# Altium PCB cupmat.PcbDoc
Units mm, origin at the board's own origin, x right, y up, seen from the top; angles counter-clockwise.
Board outline 90 x 90 mm, 2 copper layers (Top Layer, Bottom Layer); 49 components, 44 nets, 195 pads, 114 vias.
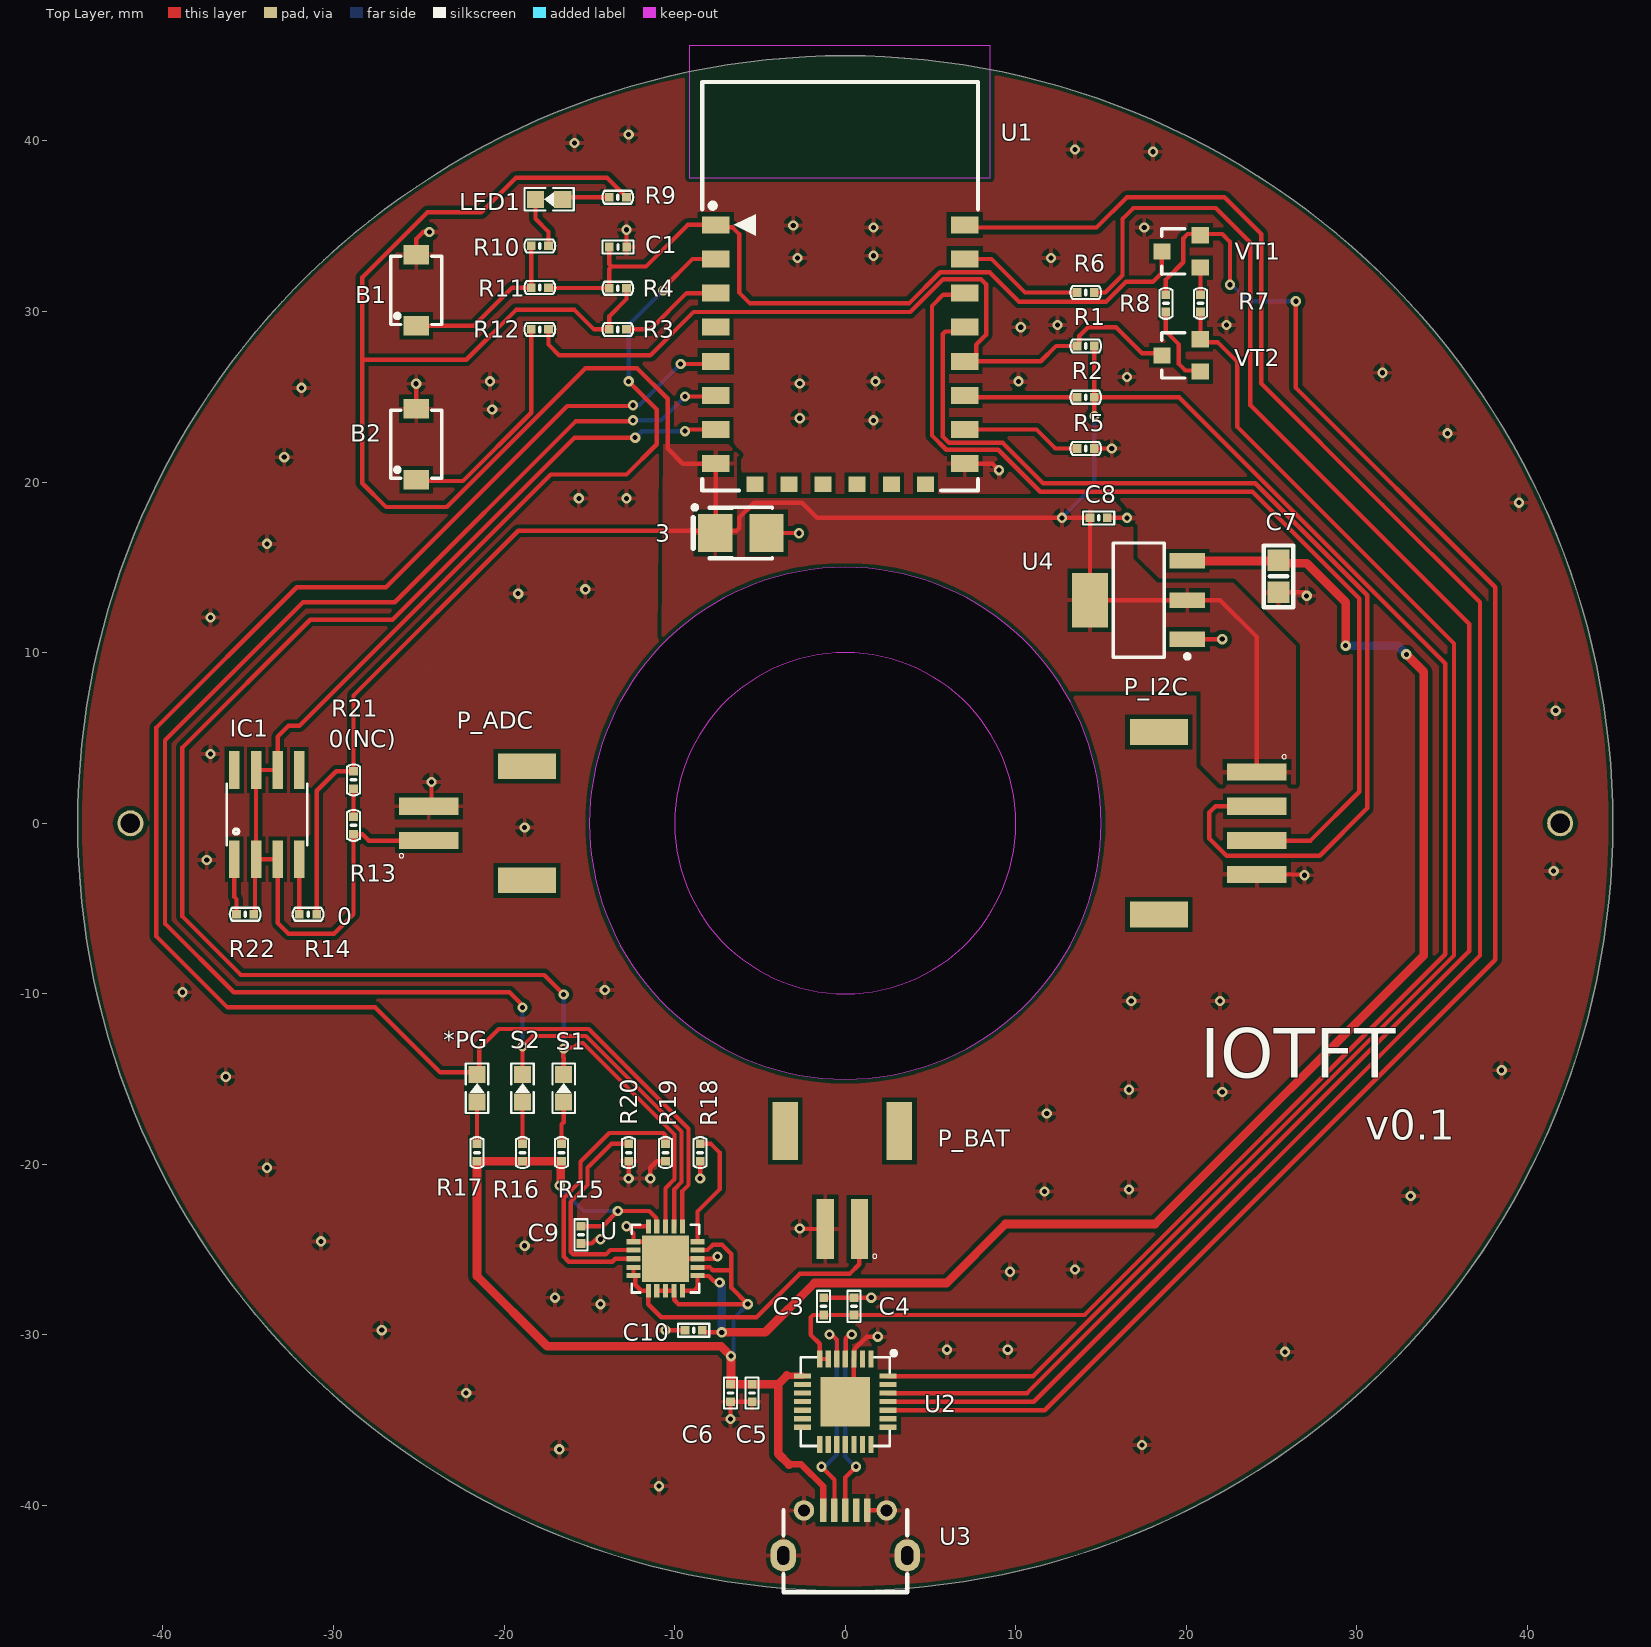
[diagram p0: Top Layer view]
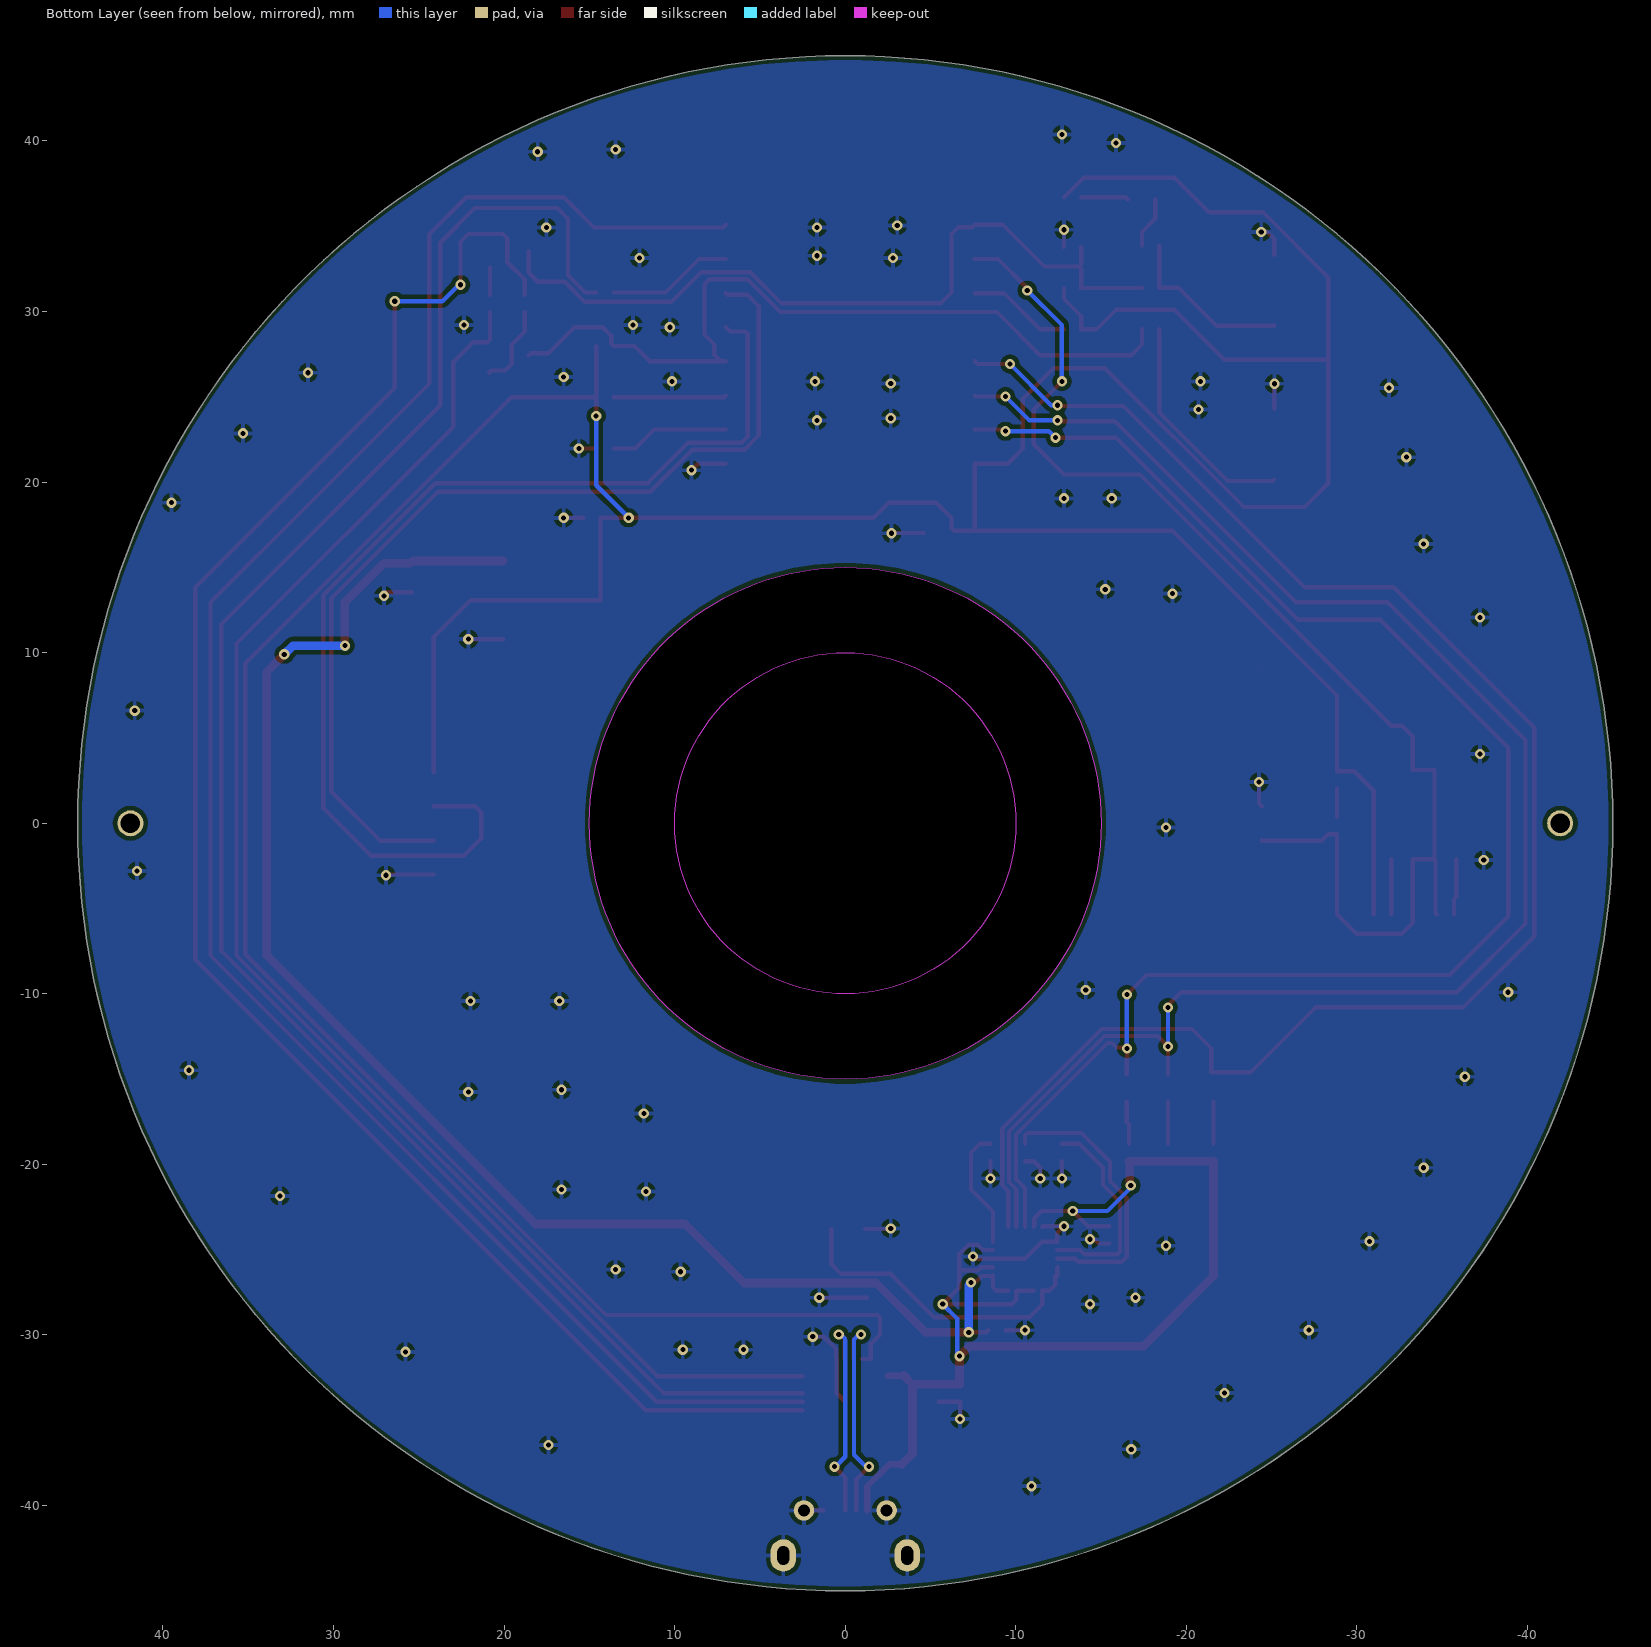
[diagram p1: Bottom Layer view, seen from below]
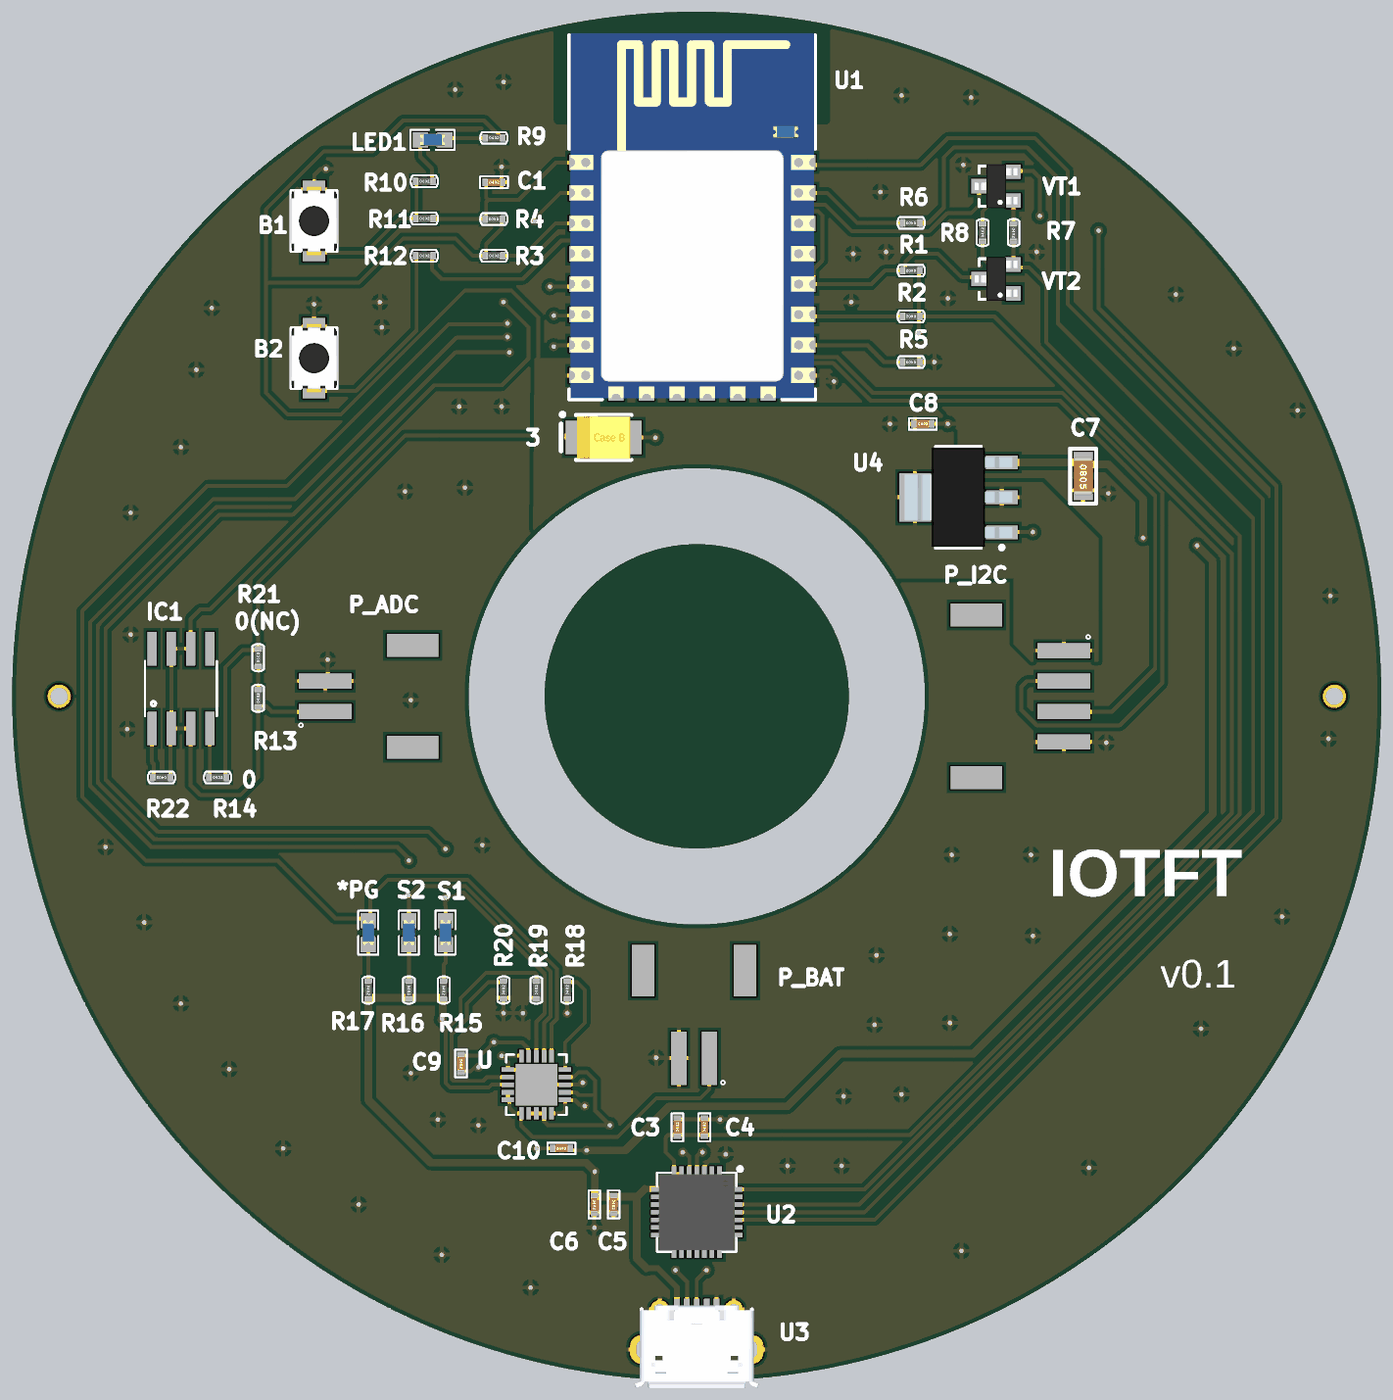
[diagram p2: 3D render of the assembled board from above, using the file's embedded part models]

## Layer stack, top to bottom
Top Solder: solder mask 0.0102, Solder Resist, Dk 3.5
Top Layer: signal copper 0.0356
Dielectric 1: dielectric 0.32, FR-4, Dk 4.8
Bottom Layer: signal copper 0.0356
Bottom Solder: solder mask 0.0102, Solder Resist, Dk 3.5

## Board outline
-45,0 ccw(c0,0) 0,-45 ccw(c0,0) 45,0 ccw(c0,0) 0,45 ccw(c0,0)
cut-out: -15,0 ccw(c0,0) 0,-15 ccw(c0,0) 15,0 ccw(c0,0) 0,15 ccw(c0,0)
cut-out: -10,0 ccw(c0,0) 0,-10 ccw(c0,0) 10,0 ccw(c0,0) 0,10 ccw(c0,0)
cut-out: -24.384,9.144

## Design rules (kind name [scope] priority, off if disabled: settings)
BoardOutlineClearance [All] p1: gap=0.254 ignorepadtopadclearanceinfootprint=FALSE except(0: Arc-SplitContinuation Track-SplitContinuation SMDPad-SplitContinuation THPad-SplitContinuation Via-SplitContinuation Fill-SplitContinuation Poly-SplitContinuation Region-SplitContinuation Text-SplitContinuation)
Clearance [All] p1: gap=0.254 ignorepadtopadclearanceinfootprint=TRUE except(0: Arc-Hole Track-Hole SMDPad-Hole THPad-Hole Via-Hole Fill-Hole Poly-Hole Region-Hole Text-Hole; 0.152: Arc-Arc Arc-Track Arc-SMDPad Track-Track Track-SMDPad)
DiffPairsRouting [All] p1: maxlimit=0.254 minlimit=0.254 mostfreqgap=0.254 toplayer_minwidth=0.254 toplayer_maxwidth=0.254 toplayer_prefwidth=0.254 bottomlayer_minwidth=0.254 bottomlayer_maxwidth=0.254 bottomlayer_prefwidth=0.254 maxuncoupledlength=12.7
MinimumSolderMaskSliver [OnLayer('Top Layer')] p1: minsoldermaskwidth=0.254
PolygonConnect [All] p1: connectstyle=Relief reliefconductorwidth=0.254 reliefentries=4 polygonreliefangle="90 Angle" airgapwidth=0.254
RoutingVias [All] p1: holewidth=0.3 width=0.6 viastyle="Through Hole" minholewidth=0.3 minwidth=0.6 maxholewidth=0.3 maxwidth=0.6
SilkToSolderMaskClearance [IsPad vs OnLayer('Top Layer')] p1: minsilkscreentomaskgap=0.254 clearancetoexposedcopper=TRUE
SolderMaskExpansion [All] p1: expansion=0.102 istentingtop=FALSE
Width [All] p1: maxlimit=0.508 minlimit=0.254 preferedwidth=0.254 minimp=50.000000 maximp=50.000000 favimp=50.000000
27 further rules are at their usual default settings.

## Classes and differential pairs
component class 08_BATT: *PG C9 C10 P_BAT R15 R16 R17 R18 R19 R20 S1 S2 U
component class 06_KEY: B1 B2 LED1 R9 R10 R11 R12
component class 05_IO_CONN: IC1 P_ADC P_I2C R13 R14 R21 R22
component class 04_POWER: C7 C8 U4
component class 03_USB_TO_UART: C3 C4 C5 C6 R6 R7 R8 U2 U3 VT1 VT2
component class 02_ESP12_CORE: 3 C1 R1 R2 R3 R4 R5 U1
differential pair D: +D_P -D_N

## Components (designator, comment, footprint, x,y, rotation, side; value= is the part's Value field where it differs from the comment)
3 "100uF TAJB107M006RNJ" SMT_C_Tantalum_B -6.12,17.018 r0 top (schematic designator C2)
*PG "BLUE" SMT_LED_0603 -21.59,-15.532 r90 top
B1 "KEY_RST/USER" SMT_SW_PTS_820 -25.157,31.242 r90 top
B2 "KEY_FLASH" SMT_SW_PTS_820 -25.157,22.225 r90 top
C1 "100nF" SMT_C_0402 -13.325,33.782 r0 top
C3 "10uF" SMT_C_0402 -1.27,-28.321 r90 top
C4 "100nF" SMT_C_0402 0.508,-28.321 r90 top
C5 "10uF" SMT_C_0402 -5.461,-33.401 r270 top
C6 "100nF" SMT_C_0402 -6.731,-33.401 r270 top
C7 "10uF 25V" SMT_C_0805 25.4,14.478 r270 top
C8 "10uF" SMT_C_0402 14.859,17.907 r0 top
C9 "10uF" SMT_C_0402 -15.494,-24.13 r270 top
C10 "4.7uF" SMT_C_0402 -8.89,-29.718 r180 top
IC1 "LM334" SO08 -33.909,0.508 r0 top
LED1 "BLUE" SMT_LED_0603 -17.364,36.576 r180 top
P_ADC "S2B-PH-SM4-TB" JST_S2B-PH-SM4-TB -24.419,0 r270 top
P_BAT "S2B-PH-SM4-TB" JST_S2B-PH-SM4-TB -0.175,-23.784 r0 top
P_I2C "S4B-PH-SM4-TB" JST_S4B-PH-SM4-TB 24.13,0 r90 top
R1 "12k" SMT_R_0402 14.097,27.982 r180 top
R2 "12k" SMT_R_0402 14.097,24.977 r180 top
R3 "12k" SMT_R_0402 -13.335,28.956 r0 top
R4 "12k" SMT_R_0402 -13.335,31.369 r180 top
R5 "12k" SMT_R_0402 14.097,21.971 r180 top
R6 "470" SMT_R_0402 14.097,31.115 r180 top
R7 "12k" SMT_R_0402 20.828,30.48 r270 top
R8 "12k" SMT_R_0402 18.796,30.48 r90 top
R9 "470" SMT_R_0402 -13.335,36.703 r0 top
R10 "0(NC)" SMT_R_0402 -17.907,33.85 r0 top
R11 "470" SMT_R_0402 -17.907,31.403 r0 top
R12 "470" SMT_R_0402 -17.907,28.956 r0 top
R13 "6M" SMT_R_0402 -28.829,-0.127 r90 top
R14 "0" SMT_R_0402 -31.496,-5.334 r0 top
R15 "1k" SMT_R_0402 -16.637,-19.304 r270 top
R16 "1k" SMT_R_0402 -18.923,-19.304 r270 top
R17 "1k" SMT_R_0402 -21.59,-19.304 r270 top
R18 "10k" SMT_R_0402 -8.509,-19.304 r90 top
R19 "2k" SMT_R_0402 -10.541,-19.304 r90 top
R20 "100k" SMT_R_0402 -12.7,-19.304 r90 top
R21 "0(NC)" SMT_R_0402 -28.829,2.54 r90 top
R22 "63.4k" SMT_R_0402 -35.179,-5.334 r180 top
S1 "BLUE" SMT_LED_0603 -16.51,-15.532 r90 top
S2 "BLUE" SMT_LED_0603 -18.923,-15.532 r90 top
U "MCP73871-3CCI/ML" MCP73871-3CCI/ML -10.541,-25.527 r180 top
U1 "ESP_12_E" ESP_12_E -8.3,35.083 r0 top
U2 "CP2102" CP2102 0,-33.909 r270 top
U3 "USB_Micro_5S_B" USB_MICRO_5S_B 0,-40.284 r180 top
U4 "NCP1117ST33T3G" SOT-223 17.201,13.081 r0 top
VT1 "S8050" SMT_TRIODE_NPN 19.685,33.528 r90 top
VT2 "S8050" SMT_TRIODE_NPN 19.685,27.432 r90 top

## Footprints (in the part's own frame and the unit in brackets; to place one, negate y for a bottom-side part, rotate by r counter-clockwise, add the part's x,y. Pads: shape width x height; smd on the part's side, far side on the other; paste and mask are expansions set on the pad)
CP2102 [mm]
  rect 1x0.3 smd: 1(-2.5,1.5) 2(-2.5,1) 3(-2.5,0.5) 4(-2.5,0) 5(-2.5,-0.5) 6(-2.5,-1) 7(-2.5,-1.5) 15(2.5,-1.5) 16(2.5,-1) 17(2.5,-0.5) 18(2.5,0) 19(2.5,0.5) 20(2.5,1) 21(2.5,1.5)
  rect 0.3x1 smd: 8(-1.5,-2.5) 9(-1,-2.5) 10(-0.5,-2.5) 11(0,-2.5) 12(0.5,-2.5) 13(1,-2.5) 14(1.5,-2.5) 22(1.5,2.5) 23(1,2.5) 24(0.5,2.5) 25(0,2.5) 26(-0.5,2.5) 27(-1,2.5) 28(-1.5,2.5)
  rect 2.921x2.921 smd paste-3.2: 29(0,0)
  silkscreen extent -2.97,-2.6 2.6,2.97, body extent -2.5,-2.5 2.5,2.5, height 1
ESP_12_E [mm]
  rect 1.6x1 smd: 1(0.7,0) 2(0.7,-2) 3(0.7,-4) 4(0.7,-6) 5(0.7,-8) 6(0.7,-10) 7(0.7,-12) 8(0.7,-14) 15(15.3,-14) 16(15.3,-12) 17(15.3,-10) 18(15.3,-8) 19(15.3,-6) 20(15.3,-4) 21(15.3,-2) 22(15.3,0)
  rect 1x0.9 smd: 9(3,-15.2) 10(5,-15.2) 11(7,-15.2) 12(9,-15.2) 13(11,-15.2) 14(13,-15.2)
  silkscreen extent -0.08,-15.57 16.08,8.37, body extent 0,-15.49 16,8.51, height 2.75
JST_S2B-PH-SM4-TB [mm]
  rect 1x3.5 smd: 1(1,0) 2(-1,0)
  rect 1.5x3.4 smd: P1(3.35,5.75) P2(-3.35,5.75)
  silkscreen extent 1.77,-1.73 2.03,-1.47
JST_S4B-PH-SM4-TB [mm]
  rect 1x3.5 smd: 1(3,0) 2(1,0) 3(-1,0) 4(-3,0)
  rect 1.5x3.4 smd: P1(5.35,5.75) P2(-5.35,5.75)
  silkscreen extent 3.77,-1.73 4.03,-1.47
MCP73871-3CCI/ML [mil]
  rect 32x12 smd: 1(-74,39) 2(-74,20) 3(-74,0) 4(-74,-20) 5(-74,-39) 11(74,-39) 12(74,-20) 13(74,0) 14(74,20) 15(74,39)
  rect 12x32 smd: 6(-39,-74) 7(-20,-74) 8(0,-74) 9(20,-74) 10(39,-74) 16(39,74) 17(20,74) 18(0,74) 19(-20,74) 20(-39,74)
  rect 108x108 smd: 21(0,0)
  silkscreen extent -78,-78 78,78
SMT_C_0402 [mil]
  rect 20x20 smd: 1(-20,0) 2(20,0)
  silkscreen extent -36,-15 36,15, body extent -20,-10 20,10, height 20
SMT_C_0805 [mil]
  rect 50x50 smd: 1(-37,0) 2(37,0)
  silkscreen extent -71,-34 71,34, body extent -49,-24 49,25, height 31
SMT_C_Tantalum_B [mm]
  rect 2x2.2 smd: 1(-1.5,0) 2(1.5,0)
  silkscreen extent -2.82,-1.5 1.85,1.62, body extent -1.75,-1.4 1.75,1.4, height 1.9
SMT_LED_0603 [mm]
  rect 1x1 smd: 1(-0.8,0) 2(0.8,0)
  silkscreen extent -1.45,-0.66 1.45,0.66, body extent -0.81,-0.4 0.81,0.4, height 0.6
SMT_R_0402 [mil]
  rect 20x20 smd: 1(-20,0) 2(20,0)
  silkscreen extent -36,-15 36,15, body extent -20,-10 20,10, height 20
SMT_SW_PTS_820 [mm]
  rect 1.143x1.5 smd: 1(-2.075,0) 2(2.075,0)
  round 0 all layers, no hole paste-2.54 mask-2.54: MH1(0,0.9) MH2(0,-0.9)
  silkscreen extent -2,-1.5 2,1.5, body extent -2.25,-1.55 2.25,1.55, height 2.05
SMT_TRIODE_NPN [mm]
  rect 0.95x1 smd: 1(-0.95,-1.125) 2(0.95,-1.125) 3(0,1.125)
  silkscreen extent -1.33,-0.22 1.32,1.13, body extent -1.45,-1.4 1.45,1.4, height 1.3
SO08 [mil]
  rect 24x87 smd: 1(-75,-103) 2(-25,-103) 3(25,-103) 4(75,-103) 5(75,103) 6(25,103) 7(-25,103) 8(-75,103)
  silkscreen extent -93,-71 93,71
SOT-223 [mm]
  rect 2.1x0.9 smd: 1(2.85,-2.3) 2(2.85,0) 3(2.85,2.3)
  rect 2.1x3.2 smd: 2(-2.85,0)
  silkscreen extent -1.5,-3.42 2.98,3.35, body extent -3.54,-3.25 3.54,3.25, height 1.65
USB_MICRO_5S_B [mil]
  rect 15x54 smd: 1(51,0) 2(25.5,0) 3(0,0) 4(-25.5,0) 5(-51,0)
  oval 59.06x74.8 hole 27.56 slot 43.31 at 90 deg: 6(-143,104) 7(143,104)
  round 47.24 hole 27.5: 8(95.5,0) 9(-95.5,0)
  silkscreen extent -143,0 143,189, body extent -161,-9 161,204, height 105

## Part data
3: library part SMT_C_Tantalum_B, "Capacitor, SM Tantalum; Body 3.5 x 2.8 mm (LxW typ)"
*PG LED1 S1 S2: library part SMT_LED_0603, "SMT LED"
B1 B2: library part SMT_SW_PTS_820, "SMT Tactile ‎Switch PTS 820 Series"
C1 C3 C4 C5 C6 C8 C9 C10: library part SMT_C_0402, "Surface mount capacitor 0402"
C7: library part SMT_C_0805, "Surface mount capacitor 0805"
IC1: "Current Source Regulator Adjustable 8-SOIC", Package="SOIC-8 Texas Instruments", Availability=Unavailable, MF="Texas Instruments", MP=LM334, Price=None, SnapEDA_Link=https://www.snapeda.com/parts/LM334/Texas%20Instruments/view-part/681076/?ref=snap
P_ADC P_BAT: "Connector Header Surface Mount, Right Angle 2 position 0.079 _2.00mm_", Package=None, Availability=Unavailable, MF="JST Sales", MP=S2B-PH-SM4-TB, Price=None, SnapEDA_Link=https://www.snapeda.com/parts/S2B-PH-SM4-TB/JST%20Sales%20America%20Inc./view-part/225866/?ref=snap
P_I2C: "Connector Header Surface Mount, Right Angle 4 position 0.079 _2.00mm_", Package=None, Availability=Unavailable, MF="JST Sales", MP=S4B-PH-SM4-TB, Price=None, SnapEDA_Link=https://www.snapeda.com/parts/S4B-PH-SM4-TB/JST%20Sales%20America%20Inc./view-part/473686/?ref=snap
R1 R2 R3 R4 R5 R6 R7 R8 R9 R10 R11 R12 R13 R14 R15 R16 R17 R18 R19 R20 R21 R22: library part SMT_R_0402, "Surface mount resistor 0402"
U: "Charger IC Lithium Ion/Polymer 20-QFN _4x4_", Package="QFN-20 Microchip", Availability=Unavailable, MF=Microchip, MP=MCP73871-3CCI/ML, Price=None, SnapEDA_Link=https://www.snapeda.com/parts/MCP73871-3CCI/ML/Microchip/view-part/276296/?ref=snap
U1: "ESP-12 Wi-Fi Module by AI-Thinker", IC=ESP8266-EX, Vendor=Ai-thinker
U3: "USB micro female SMT with 4 fixed foot"
U4: library part NCP1117, "NCP1117, NCV1117. 1.0 A Low-Dropout Positive  Fixed and Adjustable  Voltage Regulators"
VT1 VT2: library part SMT_TRIODE_NPN, "Surface mount NPN transistor, package SOT-23"

## Free pads (board coordinates)
  round 1.524 hole 1.152 mask+0.148: 2(-41.91,0) 3(41.91,0)

## Via types
v1: diameter 0.6, hole 0.3, Top Layer to Bottom Layer, tented both sides, 114 vias

## Nets (pads, with @x,y where several pads share a name; then routed paths per layer and width w, separated by ;. In a path a pad name is that pad's centre, name@x,y a point inside that pad or via, vN(x,y) a via of type N, cw(c..) or ccw(c..) an arc to the next point about the centre after c; other vN are vias at no path point)
ACTIVE: U2.11
ADC: IC1.2 IC1.3 IC1.6 IC1.7 P_ADC.1 R13.1 R22.1 U1.2 | length 75
  Top Layer w0.254: R22.1 -34.608,-5.271 -34.608,-2.172 IC1.2 ; P_ADC.1 -24.435,-1.016 -27.94,-1.016 -28.321,-0.635 R13.1 -28.829,-5.334 -29.972,-6.477 -32.639,-6.477 -33.274,-5.842 IC1.3 IC1.2 ; v1(-12.7,25.908) -11.049,24.257 -11.049,22.225 -12.827,20.447 -17.272,20.447 -32.004,5.715 -32.639,5.715 -33.274,5.08 IC1.6 IC1.7 IC1.2 ; v1(-10.668,31.242) -10.668,31.369 -8.954,33.083 U1.2
  Bottom Layer w0.254: v1(-12.7,25.908) -12.7,29.21 v1(-10.668,31.242)
CTS: U2.23
D_N: U2.5 U3.2 | length 13.1
  Top Layer w0.254: v1(-1.397,-37.719) -0.635,-38.481 -0.635,-40.272 U3.2 ; v1(-0.924,-29.972) -0.858,-30.038 -0.728,-30.038 -0.483,-30.283 -0.483,-31.392 U2.5
  Bottom Layer w0.254: v1(-1.397,-37.719) -1.211,-37.719 -0.508,-37.016 -0.508,-30.257 -0.793,-29.972 v1(-0.924,-29.972)
D_P: U2.4 U3.3 | length 12.8
  Top Layer w0.254: U3.3 0,-38.354 v1(0.635,-37.719) ; U2.4@0.025,-31.409 0.025,-30.195 0.248,-29.972 v1(0.381,-29.972)
  Bottom Layer w0.254: v1(0.381,-29.972) 0.254,-29.972 0.02,-30.206 0.02,-30.299 0,-30.319 0,-37.143 0.576,-37.719 v1(0.635,-37.719)
DCD: U2.1
DSR: U2.27
DTR: R7.2 U2.28 VT2.2 | length 87.8
  Top Layer w0.254: U2.28 11.025,-32.409 35.687,-7.747 35.687,10.541 22.987,23.241 22.987,27.051 21.844,28.194 20.998,28.194 VT2.2 20.828,28.4 R7.2
EN: R3.2 U1.3 | length 6.1
  Top Layer w0.254: R3.2 -11.43,28.956 -9.303,31.083 U1.3
GND: 3.2 B1.2 B2.2 C1.2 C3.2 C4.2 C5.2 C6.2 C7.2 C8.2 C9.2 C10.2 P_ADC.2 P_BAT.2 P_I2C.4 R5.1 R18.1 R19.1 R20.1 U1.15 U2.3 U2.29 U3.5 U3.6 U3.7 U3.8 U3.9 U4.1 U.3 U.10 U.11 U.21 | length 45.5
  Top Layer w0.254: B2.2 v1(-25.157,25.77) ; B1.2 -25.146,33.328 -25.146,34.268 -24.743,34.671 v1(-24.384,34.671) ; P_ADC.2 -24.257,1.162 v1(-24.257,2.413) ; C9.2 -14.859,-24.638 -14.605,-24.384 v1(-14.351,-24.384) ; v1(-12.827,34.798) -12.827,33.792 C1.2 ; v1(-12.7,-20.828) R20.1 ; U.10 -11.557,-23.622 v1(-12.827,-23.622) -12.421,-24.028 U.11 -11.532,-24.536 U.21 U.3 -7.62,-25.527 v1(-7.493,-25.4) ; v1(-11.43,-20.828) -11.43,-20.193 -11.049,-19.812 R19.1 ; v1(-10.541,-29.718) C10.2 ; v1(-8.509,-20.828) R18.1 ; v1(-6.731,-34.925) C6.2 C5.2 ; 3.2 -2.73,17.018 v1(-2.716,17.003) ; v1(-2.667,-23.749) -2.632,-23.784 P_BAT.2 ; C3.2 C4.2 v1(1.524,-27.813) ; U2.29 0.5,-33.409 U2.3 0.523,-31.386 0.523,-30.841 1.265,-30.099 v1(1.905,-30.099) ; U3.5 U3.9 ; U1.15 U1.15 8.636,21.082 v1(9.017,20.701) ; R5.1 v1(15.621,21.971) ; C8.2 v1(16.51,17.907) ; U4.1 20.066,10.795 v1(22.098,10.795) ; P_I2C.4 26.876,-3 v1(26.924,-3.048) ; C7.2 26.975,13.538 27.178,13.335 v1(27.051,13.335)
  other v1: -10.922,-38.862 -16.764,-36.703 17.399,-36.449 -22.225,-33.401 25.781,-30.988 5.969,-30.861 9.525,-30.861 -27.178,-29.718 -14.351,-28.194 -17.018,-27.813 9.652,-26.289 13.462,-26.162 -18.796,-24.765 -30.734,-24.511 33.147,-21.844 11.684,-21.59 16.637,-21.463 -33.909,-20.193 11.811,-17.018 22.098,-15.748 16.637,-15.621 -36.322,-14.859 38.481,-14.478 16.764,-10.414 21.971,-10.414 -38.862,-9.906 -14.097,-9.779 41.529,-2.794 -37.433,-2.159 -18.796,-0.254 -37.211,4.064 41.656,6.604 -37.211,12.065 -19.177,13.462 -15.24,13.716 -33.909,16.383 39.497,18.796 -15.621,19.05 -12.827,19.05 -32.893,21.463 35.306,22.86 1.651,23.622 -2.667,23.749 -20.701,24.257 -31.877,25.527 -2.667,25.781 -20.828,25.908 1.778,25.908 10.16,25.908 16.51,26.162 31.496,26.416 10.287,29.083 12.446,29.21 22.352,29.21 -2.794,33.147 12.065,33.147 1.651,33.274 1.651,34.925 17.526,34.925 -3.048,35.052 18.034,39.37 13.462,39.497 -15.875,39.878 -12.7,40.386
GPIO0: R1.2 R12.2 U1.18 VT2.3 | length 47
  Top Layer w0.254: R12.2 -17.399,28.067 -16.764,27.432 -11.43,27.432 -8.89,29.972 3.81,29.972 5.735,31.897 7.959,31.897 8.255,31.601 8.255,28.643 7.673,28.061 7.673,27.456 U1.18@7.3,27.083 ; U1.18 U1.18@7.3,27.083 ; VT2.3 18.433,27.559 17.399,27.559 15.875,29.083 14.224,29.083 13.716,28.575 13.716,28.109 R1.2 12.361,27.982 11.462,27.083 U1.18@7.3,27.083
GPIO2: R2.2 U1.17 | length 6.6
  Top Layer w0.254: U1.17 7.106,24.977 R2.2
GPIO4: P_I2C.2 U1.19 | length 64
  Top Layer w0.254: U1.19 6.746,28.829 5.864,28.829 5.715,28.68 5.715,22.673 6.084,22.304 9.223,22.304 11.587,19.939 24.033,19.939 30.607,13.365 30.607,0.889 27.813,-1.905 22.352,-1.905 21.336,-0.889 21.336,0.635 21.701,1 P_I2C.2
GPIO5: P_I2C.3 U1.20 | length 57.4
  Top Layer w0.254: U1.20 6.905,30.988 5.737,30.988 5.08,30.331 5.08,22.733 5.916,21.897 8.964,21.897 11.43,19.431 23.876,19.431 30.137,13.17 30.137,1.846 27.275,-1.016 24.146,-1.016 P_I2C.3
GPIO12: S2.2 U1.6 U.7 | length 96
  Top Layer w0.254: S2.2 v1(-18.923,-13.081) -18.313,-12.471 -15.208,-12.471 -9.601,-18.078 -9.601,-21.031 -10.033,-21.463 U.7 ; v1(-18.923,-10.795) -18.923,-10.668 -19.685,-9.906 -35.854,-9.906 -39.878,-5.882 -39.878,4.866 -31.79,12.954 -26.416,12.954 -15.794,23.576 -12.492,23.576 v1(-12.446,23.622) ; v1(-9.398,25.019) -7.664,25.019 U1.6
  Bottom Layer w0.254: v1(-18.923,-13.081) v1(-18.923,-10.795) ; v1(-12.446,23.622) -10.795,23.622 v1(-9.398,25.019)
GPIO13: S1.2 U1.7 U.8 | length 92.3
  Top Layer w0.254: v1@-16.532,-13.208 -16.532,-13.72 -16.51,-13.742 S1.2 ; v1@-16.532,-13.103 -16.493,-13.142 -15.894,-13.142 -15.63,-12.878 -15.376,-12.878 -10.008,-18.247 -10.008,-20.863 -10.541,-21.396 U.8 ; v1(-16.51,-10.033) -17.653,-8.89 -35.433,-8.89 -38.862,-5.461 -38.862,4.445 -31.369,11.938 -26.543,11.938 -15.875,22.606 v1(-12.319,22.606) ; v1(-9.398,22.987) -9.302,23.083 U1.7
  Bottom Layer w0.254: v1(-16.51,-13.208) v1(-16.51,-10.033) ; v1(-12.319,22.606) -11.938,22.987 v1(-9.398,22.987)
GPIO14: *PG.2 U1.5 U.6 | length 98.6
  Top Layer w0.254: v1(-12.446,24.511) -12.492,24.465 -16.302,24.465 -26.924,13.843 -32.158,13.843 -40.386,5.615 -40.386,-6.631 -36.222,-10.795 -27.559,-10.795 -23.749,-14.605 -21.463,-14.605 -21.463,-13.208 -20.32,-12.065 -15.04,-12.065 -9.195,-17.91 -9.195,-21.2 -9.55,-21.555 U.6 ; v1(-9.652,26.924) -7.759,26.924 U1.5
  Bottom Layer w0.254: v1(-12.446,24.511) -12.065,24.511 v1(-9.652,26.924)
GPIO15: R5.2 U1.16 | length 7
  Top Layer w0.254: U1.16 11.207,23.083 12.319,21.971 R5.2
GPIO16: LED1.2 R10.2 | length 3
  Top Layer w0.254: LED1.2 -18.164,35.436 -17.399,34.671 R10.2
Net*PG_1: *PG.1 R17.1 | length 2.5
  Top Layer w0.254: R17.1 *PG.1
NetB1_1: B1.1 R10.1 R11.1 | length 10.1
  Top Layer w0.254: B1.1 -21.76,29.167 -19.524,31.403 R11.1 R10.1
NetB2_1: B2.1 R12.1 | length 13.3
  Top Layer w0.254: B2.1 -25.073,20.066 -22.419,20.066 -18.415,24.07 R12.1
NetIC1_1: IC1.1 R22.2 | length 3.3
  Top Layer w0.254: IC1.1 -35.814,-4.318 -35.687,-4.445 R22.2
NetIC1_4: IC1.4 R14.1 | length 3.2
  Top Layer w0.254: R14.1 IC1.4
NetLED1_1: LED1.1 R9.1 | length 2.8
  Top Layer w0.254: LED1.1 -16.437,36.703 R9.1
NetP_BAT_1: P_BAT.1 U.14 U.15 U.16 | length 18.9
  Top Layer w0.254: U.14 U.15 -12.344,-26.518 -12.319,-26.543 -12.319,-27.051 -11.963,-27.407 U.16 -11.557,-27.432 -11.557,-28.194 -10.795,-28.956 -5.207,-28.956 -2.667,-26.416 0.254,-26.416 0.815,-25.855 0.815,-23.794 P_BAT.1
NetR6_1: R6.1 U2.26 | length 105.6
  Top Layer w0.254: U2.26 10.66,-33.409 36.576,-7.493 36.576,11.684 23.749,24.511 23.749,34.036 21.717,36.068 16.891,36.068 16.256,35.433 16.256,32.131 15.24,31.115 R6.1
NetR7_1: R7.1 VT1.1 | length 1.6
  Top Layer w0.254: VT1.1 20.828,32.56 R7.1
NetR8_1: R8.1 VT2.1 | length 4.9
  Top Layer w0.254: R8.1 18.796,28.829 19.558,28.067 19.558,26.924 19.939,26.543 20.749,26.543 VT2.1 VT2.1@20.876,26.416
NetR13_2: R13.2 R21.1 | length 1.7
  Top Layer w0.254: R13.2 R21.1
NetR15_1: R15.1 S1.1 | length 2.5
  Top Layer w0.254: R15.1 -16.637,-17.653 -16.51,-17.526 S1.1
NetR16_1: R16.1 S2.1 | length 2.5
  Top Layer w0.254: R16.1 S2.1
NetR19_2: R19.2 U.13 | length 16.5
  Top Layer w0.254: U.13 -13.487,-25.527 -13.661,-25.701 -16.209,-25.701 -16.51,-25.4 -16.51,-21.971 -15.519,-20.98 -15.519,-19.837 -13.843,-18.161 -10.668,-18.161 -10.541,-18.288 R19.2
NetR20_2: R20.2 U.12 | length 12.2
  Top Layer w0.254: R20.2 -13.716,-18.796 -15.113,-20.193 -15.113,-21.209 -16.104,-22.2 -16.104,-25.124 -15.955,-25.273 -14.034,-25.273 -13.78,-25.019 U.12
nRST: C1.1 R4.2 R11.2 U1.1 VT1.3 | length 46.7
  Top Layer w0.254: R11.2 -17.382,31.386 -13.86,31.386 R4.2 -13.843,32.49 -13.694,32.639 ; C1.1 -13.843,33.772 -13.843,32.788 -13.694,32.639 ; VT1.3 18.56,32.276 18.034,31.75 16.45,31.75 15.281,30.582 10.185,30.582 8.463,32.304 5.567,32.304 3.743,30.48 -5.588,30.48 -6.223,31.115 -6.223,34.544 -6.604,34.925 -6.604,34.934 -7.451,34.934 U1.1 -9.24,35.083 -11.684,32.639 -13.694,32.639
OTG_ID: U3.4
RI: U2.2
RTS: R8.2 U2.24 VT1.2 | length 103.6
  Top Layer w0.254: U2.24 11.692,-34.409 38.1,-8.001 38.1,13.843 26.416,25.527 v1(26.416,30.607) ; R8.2 18.796,31.877 19.812,32.893 19.812,34.29 20.066,34.544 22.098,34.544 22.555,34.087 v1(22.555,31.574)
  Bottom Layer w0.254: v1(22.555,31.574) 22.604,31.623 22.606,31.623 23.622,30.607 v1(26.416,30.607)
RXD0: R6.2 U1.21 | length 7.4
  Top Layer w0.254: U1.21 8.573,33.083 10.541,31.115 R6.2
THERM: R18.2 U.5 | length 7.1
  Top Layer w0.254: U.5 -8.661,-22.758 -7.366,-21.463 -7.366,-19.304 -7.874,-18.796 R18.2
TXD0: U1.22 U2.25 | length 112.2
  Top Layer w0.254: U2.25 7.112,-33.909 11.049,-33.909 37.211,-7.747 37.211,12.954 31.473,18.692 24.384,25.781 24.384,34.544 22.225,36.703 16.51,36.703 14.732,34.925 7.158,34.925 U1.22
VDD3V3: 3.1 C3.1 C4.1 C8.1 P_I2C.1 R1.1 R2.1 R3.1 R4.1 R9.2 R14.2 R21.2 U1.8 U2.6 U2.7 U4.2 | length 272.5
  Top Layer w0.254: R14.2 -30.988,1.905 -29.845,3.048 R21.2 -28.829,7.493 -19.177,17.145 3.1@-7.6,17.145 ; R4.1 -12.827,30.734 -13.843,29.718 R3.1 -14.732,28.956 -15.875,30.099 -19.304,30.099 -22.225,27.178 -28.321,27.178 ; R9.2 -13.97,37.846 -19.304,37.846 -21.336,35.814 -24.511,35.814 -28.321,32.004 -28.321,27.178 ; U2.6 U2.7 -1.5,-30.516 -2.032,-29.984 -2.032,-28.978 -1.883,-28.829 C3.1 14.03,-28.829 35.179,-7.68 35.179,9.368 19.57,24.977 R2.1 ; v1(14.605,23.876) R2.1 ; R1.1 R2.1 ; P_I2C.1 24.13,10.922 21.971,13.081 20.051,13.081 14.351,13.081 C8.1 v1(12.7,17.907) -1.651,17.907 -2.54,18.796 -5.337,18.796 -6.223,17.91 -6.223,17.294 -6.372,17.145 3.1@-7.6,17.145 ; -28.321,27.178 -28.321,19.939 -26.924,18.542 -23.368,18.542 -15.24,26.67 -12.192,26.67 -10.414,24.892 -10.414,21.971 -9.525,21.082 -7.601,21.082 U1.8 3.1@-7.6,17.145
  Bottom Layer w0.254: v1(12.7,17.907) 14.605,19.812 v1(14.605,23.876)
VDDCHG: C7.1 C10.1 U4.3 U.1 U.20 | length 92.1
  Top Layer w0.254: U.20 -8.865,-27.407 -8.661,-27.203 U.1 -8.636,-26.543 -8.001,-26.543 -7.686,-26.858 -7.432,-26.858 v1(-7.366,-26.924) ; C10.1 -8.255,-29.845 v1(-7.239,-29.845)
  Top Layer w0.508: v1(-7.239,-29.845) -4.699,-29.845 -1.803,-26.949 5.944,-26.949 9.398,-23.495 18.161,-23.495 33.909,-7.747 33.909,8.89 v1(32.893,9.906) ; U4.3 C7.1@25.363,15.381 ; C7.1@25.504,15.24 27.051,15.24 29.337,12.954 v1(29.337,10.414)
  Bottom Layer w0.508: v1(-7.366,-26.924) -7.366,-26.949 -7.239,-27.076 v1(-7.239,-29.845) ; v1(29.337,10.414) 32.385,10.414 v1(32.893,9.906)
VDDUSB: C5.1 C6.1 C9.1 R15.2 R16.2 R17.2 U2.8 U3.1 U.2 U.4 U.9 U.17 U.18 U.19 | length 71.7
  Top Layer w0.254: C9.1 -14.224,-23.622 v1(-13.335,-22.733) -11.492,-22.733 -11.074,-23.151 -11.074,-23.622 U.9 ; U.17 U.18 U.19 -10.033,-27.94 -9.779,-28.194 v1(-5.715,-28.194) -6.685,-27.224 -6.685,-26.208 ; U.2 -7.948,-26.035 -7.846,-26.137 -7.833,-26.137 -7.761,-26.208 -6.685,-26.208 ; U.4 -8.075,-25.019 -7.775,-24.719 -7.211,-24.719 -6.685,-25.245 -6.685,-26.208
  Top Layer w0.381: -3.422,-32.378 U2.8@-2.5,-32.378 ; -3.302,-37.592 -2.577,-37.592 -1.295,-38.873 U3.1
  Top Layer w0.508: v1(-16.738,-21.235) -16.687,-21.185 -16.687,-19.862 R15.2 R16.2 R17.2 -21.59,-26.543 -17.48,-30.653 -7.285,-30.653 v1(-6.696,-31.242) -6.696,-32.858 C6.1 C5.1 -4.064,-32.893 -3.937,-33.02 -3.937,-36.957 -3.302,-37.592 ; -4,-32.956 -3.422,-32.378
  Bottom Layer w0.254: v1(-16.738,-21.235) -16.738,-21.329 -16.637,-21.43 -16.637,-21.463 -15.367,-22.733 v1(-13.335,-22.733) ; v1(-6.696,-31.242) -6.558,-31.104 -6.558,-29.037 v1(-5.715,-28.194)
pads on no net: B1.MH1 B1.MH2 B2.MH1 B2.MH2 IC1.5 IC1.8 P_ADC.P1 P_ADC.P2 P_BAT.P1 P_BAT.P2 P_I2C.P1 P_I2C.P2 U1.4 U1.9 U1.10 U1.11 U1.12 U1.13 U1.14 U2.9 U2.10 U2.12 U2.13 U2.14 U2.15 U2.16 U2.17 U2.18 U2.19 U2.20 U2.21 U2.22

## Polygon pours and split planes (outlines as drawn)
VDD3V3 on Top Layer "VDD3V3_L01_P000" (solid, remove dead copper, pour order 0): -10.668,22.225 -6.858,22.225 -6.223,21.59 -6.35,21.463 -6.35,19.05 15.621,19.05 16.891,17.78 16.891,15.494 18.288,14.097 22.733,14.097 26.416,10.414 26.416,2.286 21.971,2.286 20.828,3.429 20.828,7.747 -10.795,7.747
GND on Top Layer "GND_TOP" (solid, remove dead copper, pour order 5): -51.435,52.705 54.737,52.705 54.737,-44.196 48.387,-50.546 48.26,-50.419 -51.435,-50.419
no net on Top Layer "NONET_L01_P001" (solid, pour order 1): -8.382,37.846
GND on Bottom Layer "Top Layer-GND" (solid, remove dead copper, pour order 11): -51.435,52.705 54.737,52.705 54.737,-44.196 48.387,-50.546 48.26,-50.419 -51.435,-50.419

## Keep-outs
Top Layer:
  rectangle: -9.144,37.846 8.509,45.593

## Other copper
Top Layer:
  region: 16.51,4.191

## Silkscreen, mask and mechanical layers (free items; w line width, h text height)
Top Overlay:
  text "IOTFT" at 20.814,-15.875 h5
  text "v0.1" at 30.48,-19.144 h3
Mechanical 1:
  circle w0.254: c0,0 r15
  circle w0.254: c0,0 r45

## Text inside footprints (layer, text, board x,y; h text height)
U1: Mechanical 13 "CUTOUT POLYGON" at -6.801,42.398 h0.25; Mechanical 13 "ANTENNA AREA" at -6.801,42.906 h0.25